# KiCad board data-center-rdimm-ddr4-tester.kicad_pcb (continued)
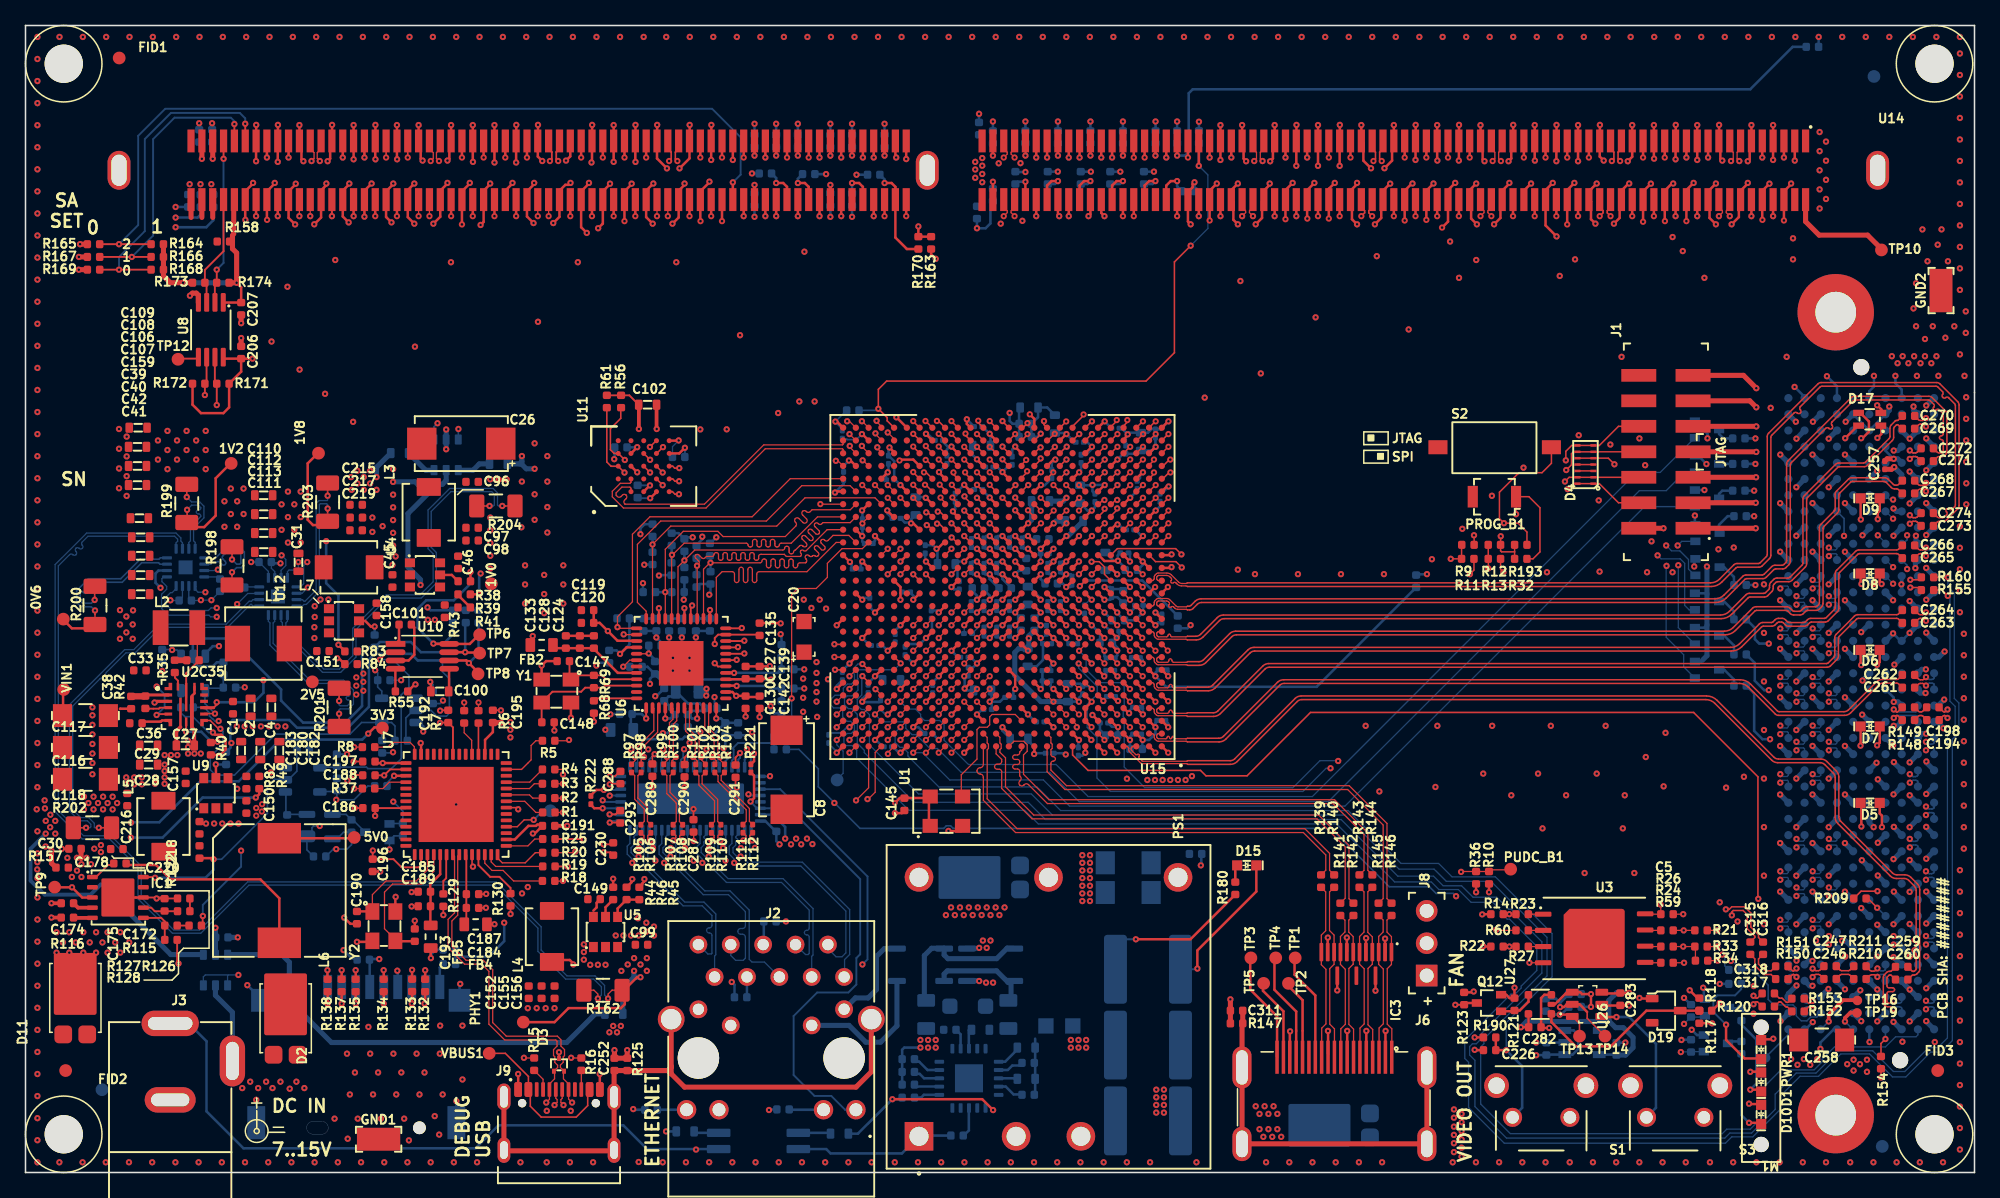
[diagram p0: board, top side]
## Placement (name value [footprint] x y rotation side) (continued)
D7  LED_G_0603_KP-1608CGCK  [LED_0603_1608Metric_G]  144.7 35 180 top
D8  LED_G_0603_KP-1608CGCK  [LED_0603_1608Metric_G]  144.7 47 180 top
D9  LED_G_0603_KP-1608CGCK  [LED_0603_1608Metric_G]  144.7 52.9 180 top
D10  LED_G_0603_KP-1608CGCK  [LED_0603_1608Metric_G]  136.15 4.56 270 top
D11  PDS760  [PowerDI5]  3.9 13.7 90 top
D12  CD-MMBL110S  [DFN3538]  75.71 16.3 90 bottom
D13  CD-MMBL110S  [DFN3538]  70.21 16.3 90 bottom
D14  PTVS58VS1UR,115  [SOD-123F]  73.91 13.05 0 bottom
D15  LED_G_0603_KP-1608CGCK  [LED_0603_1608Metric_G]  95.8 24.1 0 top
D16  PDS760  [PowerDI5]  75.15 23.15 180 bottom
D17  LED_RGY_0606_APTF1616SURKCGKSYKC  [LED_RGY_1.6x1.6mm_APTF1616]  144.67 59.1 180 top
D18  PDS760  [PowerDI5]  102.6 3.7 180 bottom
D19  BZX84C5V1-TP  [SOT-23-3]  128.7 12.7 0 top
EMCCLK1  TP_1mm_SMD  [Testpoint_smd_1mm]  63.67 30.8 270 bottom
FB1  FB_120Z_2A_0603  [FB_0603_1608Metric]  46.79 34.73 0 bottom
FB2  FB_120Z_2A_0603  [FB_0603_1608Metric]  40.49 41.39 180 top
FB3  FB_120Z_2A_0603  [FB_0603_1608Metric]  51.9 37.72 0 bottom
FB4  FB_600Z_0.5A_0603  [FB_0603_1608Metric]  35.31 19.47 180 top
FB5  FB_600Z_0.5A_0603  [FB_0603_1608Metric]  31.79 18.5 90 top
FB9  FB_220Z_2A_0603  [FB_0805_2012Metric]  70.65 12.4 270 bottom
FB10  FB_220Z_2A_0603  [FB_0805_2012Metric]  77.1 12.4 270 bottom
FID1  -  [Fiducial_1mm_Mask2mm]  7.35 87.45 0 top
FID2  -  [Fiducial_1mm_Mask2mm]  3.15 8 0 top
FID3  -  [Fiducial_1mm_Mask2mm]  150 8 0 top
FID4  -  [Fiducial_1mm_Mask2mm]  145.65 2.05 180 bottom
FID5  -  [Fiducial_1mm_Mask2mm]  6 6.5 180 bottom
FID6  -  [Fiducial_1mm_Mask2mm]  145 86 180 bottom
GND1  TestPoint_Probe_1206_RCW-0C  [PROBE_PAD_1206]  27.7 2.55 180 top
GND2  TestPoint_Probe_1206_RCW-0C  [PROBE_PAD_1206]  150.2 69.2 90 top
IC1  TPS54561QDPRRQ1  [WSON-10_4x4]  7.29 21.58 0 top
IC2  ACPL-217-500E  [SOIC-4_4.55x2.6mm_P1.27]  57.5 2.47 0 bottom
IC3  TPD8S009DSMR  [R-PDSO-N15]  104.4 16.34 270 top
J1  -  [PinHeader_2x7_P2mm_SMD_Shrouded_no-locator]  128.68 56.55 90 top
J2  Bus_RJ45_5-2337992-8  [RJ45_5-2337992-8_Horizontal]  52.78 17.88 0 top
J3  BarrelJack_3167288  [BarrelJack_3167288_Horizontal]  11.35 11.7 0 top
J5  ASP-134486-01  [FMC_SAMTEC_ASP-134486-01]  144 36 90 bottom
J6  HDMI_A_Female_685119134923  [HDMI-A_Receptacle_WE_685119134923]  102.62 3.82 180 top
J7  MicroSD_693071020811  [MicroSD_Wurth_693071020811]  25.95 6.99 180 bottom
J8  -  [PinHeader_1x3_P2.54mm_Drill1.1mm]  109.91 15.45 90 top
J9  USB-C_USB4105-GF-A  [USB-C_GCT_USB4105-GF-A]  41.85 3.01 0 top
L1  L_4u7_2.8A_2020  [L_2020_5252Metric]  18.66 41.5 0 top
L2  L_680n_6.1A_1210  [L_1210_3225Metric]  12.04 42.75 180 top
L3  L_1u5_6A_1716  [L_1716_4441Metric]  31.64 51.79 90 top
L4  L_1u5_6A_1716  [L_1716_4441Metric]  41.3 18.52 270 top
L5  L_1u5_6A_1716  [L_1716_4441Metric]  10.82 27.17 270 top
L6  L_7u2_7.9A_WE-PDF  [L_WE-PDF]  19.91 22.13 90 top
L7  L_1u5_6A_1716  [L_1716_4441Metric]  25.39 47.49 180 top
M1  -  [Mech_Lightpipe_Mentor_1296.2013]  136.15 7.16 180 top
MP1  PCB_Mount_Hole_3mm_NPTH  [mounting-hole-3mm-NPTH]  3 3 0 top
MP2  PCB_Mount_Hole_3mm_NPTH  [mounting-hole-3mm-NPTH]  149.75 3 0 top
MP3  PCB_Mount_Hole_3mm_NPTH  [mounting-hole-3mm-NPTH]  149.75 87 0 top
MP4  PCB_Mount_Hole_3mm_NPTH  [mounting-hole-3mm-NPTH]  3 87 0 top
N2  antmicro_logo  [antmicro-logo_scaled_20mm_mask]  115.05 32.35 0 top
NT1  Net-Tie_2  [NetTie-2_SMD_Pad0.127mm]  16.2 46.73 270 top
NT2  Net-Tie_2  [NetTie-2_SMD_Pad0.127mm]  12.67 51.63 270 top
NT3  Net-Tie_2  [NetTie-2_SMD_Pad0.127mm]  5.45 43.67 270 top
NT4  Net-Tie_2  [NetTie-2_SMD_Pad0.127mm]  12.65 53.37 90 top
NT5  Net-Tie_2  [NetTie-2_SMD_Pad0.127mm]  16.2 48.47 90 top
NT6  Net-Tie_2  [NetTie-2_SMD_Pad0.127mm]  5.42 45.33 90 top
NT7  Net-Tie_2  [NetTie-2_SMD_Pad0.127mm]  24.6 35.63 270 top
NT8  Net-Tie_2  [NetTie-2_SMD_Pad0.127mm]  6.12 27.05 0 top
NT9  Net-Tie_2  [NetTie-2_SMD_Pad0.127mm]  23.7 51.77 270 top
NT10  Net-Tie_2  [NetTie-2_SMD_Pad0.127mm]  36.03 52.3 180 top
NT11  Net-Tie_2  [NetTie-2_SMD_Pad0.127mm]  24.6 37.37 90 top
NT12  Net-Tie_2  [NetTie-2_SMD_Pad0.127mm]  4.38 27.05 180 top
NT13  Net-Tie_2  [NetTie-2_SMD_Pad0.127mm]  23.7 53.47 90 top
NT14  Net-Tie_2  [NetTie-2_SMD_Pad0.127mm]  37.77 52.3 0 top
NT15  Net-Tie_2  [NetTie-2_SMD_Pad0.127mm]  44.43 14.3 180 top
NT16  Net-Tie_2  [NetTie-2_SMD_Pad0.127mm]  46.17 14.3 0 top
PHY1  TP_1mm_SMD  [Testpoint_smd_1mm]  39.05 11.8 90 top
PROG_B1  SW_B3U-1000P  [SW_B3U-1000P_SMD]  115.22 53.03 180 top
PS1  PDQE30-Q48-S12-D  [CONV_PDQE30-Q48-S5-D]  70.09 2.84 90 top
PUDC_B1  TP_1mm_SMD  [Testpoint_smd_1mm]  116.5 23.8 180 top
PWR1  LED_G_0603_KP-1608CGCK  [LED_0603_1608Metric_G]  136.15 9.64 270 top
Q1  BSS138PW  [SC70-3]  131.9 52.9 0 bottom
Q2  BSS138PW  [SC70-3]  131.9 39.45 0 bottom
Q3  BSS138PW  [SC70-3]  131.9 44.8 0 bottom
Q4  BSS138PW  [SC70-3]  131.9 42.1 0 bottom
Q5  BSS138PW  [SC70-3]  131.94 47.5 0 bottom
Q6  BSS138PW  [SC70-3]  131.94 50.17 0 bottom
Q7  BSS138PW  [SC70-3]  132.69 12.95 0 bottom
Q8  BSS138PW  [SC70-3]  132.6 10.14 0 bottom
Q9  BSS138PW  [SC70-3]  131.9 55.6 0 bottom
Q10  BSS138PW  [SC70-3]  131.9 58.3 0 bottom
Q11  BSS138PW  [SC70-3]  27.6 26.7 180 bottom
Q12  BSS138PW  [SC70-3]  114.8 13.3 180 top
R1  R_22R_0402  [R_0402_1005Metric]  41.05 28.25 0 top
R2  R_22R_0402  [R_0402_1005Metric]  41.04 29.38 0 top
R3  R_22R_0402  [R_0402_1005Metric]  41.04 30.5 0 top
R4  R_22R_0402  [R_0402_1005Metric]  41.04 31.63 0 top
R5  R_22R_0402  [R_0402_1005Metric]  41.04 33.88 0 top
R6  R_22R_0402  [R_0402_1005Metric]  35.54 35.75 90 top
R7  R_22R_0402  [R_0402_1005Metric]  34.41 35.75 90 top
R8  R_22R_0402  [R_0402_1005Metric]  26.91 33.38 180 top
R9  R_0R_0402  [R_0402_1005Metric]  113.15 49.25 0 top
R10  R_100R_0402  [R_0402_1005Metric]  114.8 23.13 90 top
R11  R_0R_0402  [R_0402_1005Metric]  113.13 48.15 0 top
R12  R_0R_0402  [R_0402_1005Metric]  115.22 49.25 0 top
R13  R_0R_0402  [R_0402_1005Metric]  115.22 48.15 0 top
R14  R_2k2_0402  [R_0402_1005Metric]  115.43 20.27 0 top
R15  R_5k11_0402  [R_0402_1005Metric]  39.9 8.5 270 top
R16  R_5k11_0402  [R_0402_1005Metric]  43.6 8.5 90 top
R17  R_330R_0.25W_0603  [R_0603_1608Metric]  29.35 56.45 180 bottom
R18  R_22R_0402  [R_0402_1005Metric]  41.04 22.88 0 top
R19  R_22R_0402  [R_0402_1005Metric]  41.06 24.02 0 top
R20  R_22R_0402  [R_0402_1005Metric]  41.06 25.09 0 top
R21  R_4k7_0402  [R_0402_1005Metric]  131.43 19 180 top
R22  R_4k7_0402  [R_0402_1005Metric]  115.43 17.73 0 top
R23  R_0R_0402  [R_0402_1005Metric]  117.4 20.27 180 top
R24  R_0R_0402  [R_0402_1005Metric]  128.77 17.73 0 top
R25  R_22R_0402  [R_0402_1005Metric]  41.06 26.17 0 top
R26  R_0R_0402  [R_0402_1005Metric]  128.77 19 0 top
R27  R_0R_0402  [R_0402_1005Metric]  117.4 17.73 180 top
R28  R_4k7_0402  [R_0402_1005Metric]  130.65 9.94 270 bottom
R29  R_330R_0.25W_0603  [R_0603_1608Metric]  37.1 55.6 0 bottom
R30  R_330R_0402  [R_0402_1005Metric]  134.6 12.4 90 bottom
R31  R_330R_0402  [R_0402_1005Metric]  134.6 9.8 90 bottom
R32  R_4k7_0402  [R_0402_1005Metric]  117.29 48.15 0 top
R33  R_100R_0402  [R_0402_1005Metric]  131.43 17.73 180 top
R34  R_100R_0402  [R_0402_1005Metric]  131.48 16.62 0 top
R35  R_5R1_0402  [R_0402_1005Metric]  11.71 39.71 90 top
R36  R_100R_0402  [R_0402_1005Metric]  113.79 23.13 270 top
R37  R_22R_0402  [R_0402_1005Metric]  26.91 30.13 180 top
R38  R_0R_0402  [R_0402_1005Metric]  34.42 46.39 180 top
R39  R_1k5_0402  [R_0402_1005Metric]  34.41 45.36 180 top
R40  R_100k_0402  [R_0402_1005Metric]  14.54 33.25 270 top
R41  R_1k_0402  [R_0402_1005Metric]  34.41 44.34 180 top
R42  R_0R_0402  [R_0402_1005Metric]  9.4 36.9 90 top
R43  R_10k_0402  [R_0402_1005Metric]  32.89 44.04 270 top
R44  R_0R_0402  [R_0402_1005Metric]  46.1 21.9 270 top
R45  R_4k99_0402  [R_0402_1005Metric]  47.15 21.9 270 top
R46  R_10k_0402  [R_0402_1005Metric]  48.15 21.9 90 top
R47  R_0R_0402  [R_0402_1005Metric]  15.74 32.5 270 bottom
R48  R_0R_0402  [R_0402_1005Metric]  27.39 41.69 90 bottom
R49  R_31k6_0402  [R_0402_1005Metric]  18.34 30.6 90 top
R50  R_330R_0402  [R_0402_1005Metric]  134.5 38.2 180 bottom
R51  R_330R_0402  [R_0402_1005Metric]  134.5 43.4 180 bottom
R52  R_330R_0402  [R_0402_1005Metric]  134.5 40.65 180 bottom
R53  R_330R_0402  [R_0402_1005Metric]  134.5 46.1 180 bottom
R54  R_330R_0402  [R_0402_1005Metric]  134.5 51.5 180 bottom
R55  R_0R_0402  [R_0402_1005Metric]  29.5 37.75 0 top
R56  R_10k_0402  [R_0402_1005Metric]  46.72 60.5 270 top
R57  R_330R_0402  [R_0402_1005Metric]  130.65 12.69 270 bottom
R58  R_0R_0402  [R_0402_1005Metric]  90.39 43.19 90 bottom
R59  R_0R_0402  [R_0402_1005Metric]  128.77 16.46 0 top
R60  R_0R_0402  [R_0402_1005Metric]  117.4 19 180 top
R61  R_10k_0402  [R_0402_1005Metric]  45.6 60.5 270 top
R62  R_220R_0402  [R_0402_1005Metric]  59.42 4.95 180 bottom
R63  R_80R6_0603  [R_0603_1608Metric]  82.26 51.11 180 bottom
R64  R_80R6_0603  [R_0603_1608Metric]  79.62 52.68 0 bottom
R65  R_1k_0603  [R_0603_1608Metric]  80.75 58.72 90 bottom
R66  R_1k_0603  [R_0603_1608Metric]  78.72 60.03 180 bottom
R67  R_220R_0402  [R_0402_1005Metric]  49.07 4.92 180 bottom
R68  R_12k1_0402  [R_0402_1005Metric]  44.59 36.53 90 top
R69  R_1M8_0402  [R_0402_1005Metric]  44.59 38.53 270 top
R70  R_10k_0402  [R_0402_1005Metric]  50.69 49.68 90 bottom
R71  R_10k_0402  [R_0402_1005Metric]  51.69 49.23 90 bottom
R72  R_10k_0402  [R_0402_1005Metric]  52.64 48.68 90 bottom
R73  R_10k_0402  [R_0402_1005Metric]  53.69 48.88 90 bottom
R74  R_10k_0402  [R_0402_1005Metric]  48.94 45.54 180 bottom
R75  R_10k_0402  [R_0402_1005Metric]  49.19 50.39 90 bottom
R76  R_10k_0402  [R_0402_1005Metric]  49.38 39.61 270 bottom
R77  R_2k2_0402  [R_0402_1005Metric]  50.67 47.35 270 bottom
R78  R_1k_0402  [R_0402_1005Metric]  46.89 43.48 0 bottom
R79  R_10k_0402  [R_0402_1005Metric]  47.89 39.68 0 bottom
R80  R_10k_0402  [R_0402_1005Metric]  59.79 37.98 0 bottom
R81  R_10k_0402  [R_0402_1005Metric]  59.79 39.48 0 bottom
R82  R_10k_0402  [R_0402_1005Metric]  17.33 30.59 270 top
R83  R_12k4_0402  [R_0402_1005Metric]  25.54 40.89 0 top
R84  R_10k_0402  [R_0402_1005Metric]  25.54 39.89 180 top
R85  R_63R4_0603  [R_0603_1608Metric]  74.91 11.2 180 bottom
R86  R_10k_0402  [R_0402_1005Metric]  33.54 43.63 270 bottom
R87  R_10k_0402  [R_0402_1005Metric]  34.54 43.63 270 bottom
R88  R_10k_0402  [R_0402_1005Metric]  35.54 43.63 270 bottom
R89  R_2k2_0402  [R_0402_1005Metric]  51.69 46.99 270 bottom
R90  R_2k2_0402  [R_0402_1005Metric]  52.64 46.42 270 bottom
R91  R_2k2_0402  [R_0402_1005Metric]  53.74 46.66 270 bottom
R92  R_2k2_0402  [R_0402_1005Metric]  51.19 45.54 0 bottom
R93  R_2k2_0402  [R_0402_1005Metric]  49.19 48.19 270 bottom
R94  R_2k2_0402  [R_0402_1005Metric]  49.38 41.34 0 bottom
R95  R_2k2_0402  [R_0402_1005Metric]  59.31 36.52 270 bottom
R96  R_2k2_0402  [R_0402_1005Metric]  59.31 40.93 90 bottom
R97  R_0R_0201  [R_0201]  47.54 31.71 270 top
R98  R_0R_0201  [R_0201]  48.29 31.71 90 top
R99  R_0R_0201  [R_0201]  50.06 31.71 270 top
R100  R_0R_0201  [R_0201]  50.81 31.71 90 top
R101  R_0R_0201  [R_0201]  52.57 31.7 270 top
R102  R_0R_0201  [R_0201]  53.32 31.7 90 top
R103  R_0R_0201  [R_0201]  54.07 31.71 270 top
R104  R_0R_0201  [R_0201]  54.82 31.71 90 top
R105  R_0R_0201  [R_0201]  48.28 26.97 270 top
R106  R_0R_0201  [R_0201]  49.05 26.97 90 top
R107  R_0R_0201  [R_0201]  50.8 26.97 270 top
R108  R_0R_0201  [R_0201]  51.55 26.97 90 top
R109  R_0R_0201  [R_0201]  53.8 26.97 270 top
R110  R_0R_0201  [R_0201]  54.55 26.97 90 top
R111  R_0R_0201  [R_0201]  56.28 26.98 270 top
R112  R_0R_0201  [R_0201]  57.04 26.98 90 top
R113  R_330R_0.25W_0603  [R_0603_1608Metric]  46.15 12.45 0 bottom
R114  R_330R_0.25W_0603  [R_0603_1608Metric]  7.3 21.9 90 bottom
R115  R_16k9_0402  [R_0402_1005Metric]  12.41 20.5 0 top
R116  R_243k_0402  [R_0402_1005Metric]  3.29 20 0 top
R117  R_47k_0402  [R_0402_1005Metric]  131.3 12.2 90 top
R118  R_47k_0402  [R_0402_1005Metric]  131.3 13.2 270 top
R119  R_330R_0402  [R_0402_1005Metric]  134.1 14.8 180 bottom
R120  R_47k_0402  [R_0402_1005Metric]  131.78 12.7 180 top
R121  R_100k_0402  [R_0402_1005Metric]  116.8 13.2 90 top
R122  R_100k_0402  [R_0402_1005Metric]  13.65 25.15 270 top
R123  R_10k_0402  [R_0402_1005Metric]  112.85 13.65 90 top
R124  R_100k_0402  [R_0402_1005Metric]  29.6 26.9 90 bottom
R125  R_330R_0402  [R_0402_1005Metric]  47.2 8.48 270 top
R126  R_49R9_0402  [R_0402_1005Metric]  13.31 19.38 180 top
R127  R_53k6_0402  [R_0402_1005Metric]  11.41 19.38 180 top
R128  R_10k2_0402  [R_0402_1005Metric]  11.41 18.25 0 top
R129  R_12k_0402  [R_0402_1005Metric]  32.78 21.37 90 top
R130  R_10k_0402  [R_0402_1005Metric]  38.05 21.4 90 top
R131  R_20k_0402  [R_0402_1005Metric]  33.25 17.49 0 bottom
R132  R_20k_0402  [R_0402_1005Metric]  31.35 14.67 90 top
R133  R_20k_0402  [R_0402_1005Metric]  30.32 14.69 90 top
R134  R_20k_0402  [R_0402_1005Metric]  28.1 14.67 90 top
R135  R_20k_0402  [R_0402_1005Metric]  25.9 14.67 90 top
R136  R_220R_0402  [R_0402_1005Metric]  33.25 16.35 180 bottom
R137  R_20k_0402  [R_0402_1005Metric]  24.8 14.67 90 top
R138  R_20k_0402  [R_0402_1005Metric]  23.7 14.67 90 top
R139  R_0R_0402  [R_0402_1005Metric]  101.63 22.86 270 top
R140  R_0R_0402  [R_0402_1005Metric]  102.66 22.86 270 top
R141  R_0R_0402  [R_0402_1005Metric]  103.14 20.65 270 top
R142  R_0R_0402  [R_0402_1005Metric]  104.16 20.65 270 top
R143  R_0R_0402  [R_0402_1005Metric]  104.64 22.86 270 top
R144  R_0R_0402  [R_0402_1005Metric]  105.65 22.86 270 top
R145  R_0R_0402  [R_0402_1005Metric]  106.14 20.65 270 top
R146  R_0R_0402  [R_0402_1005Metric]  107.16 20.65 270 top
R147  R_330R_0402  [R_0402_1005Metric]  95 11.7 0 top
R148  R_33R_0402  [R_0402_1005Metric]  147.7 35.5 0 top
R149  R_33R_0402  [R_0402_1005Metric]  147.7 36.5 0 top
R150  R_33R_0402  [R_0402_1005Metric]  137.77 15.18 180 top
R151  R_33R_0402  [R_0402_1005Metric]  137.77 16.18 180 top
R152  R_33R_0402  [R_0402_1005Metric]  139.04 12.64 180 top
R153  R_33R_0402  [R_0402_1005Metric]  139.04 13.64 180 top
R154  R_10k_0402  [R_0402_1005Metric]  145.55 8.62 270 top
R155  R_4k7_0402  [R_0402_1005Metric]  149.2 45.7 0 top
R156  R_1k3_0603  [R_0603_1608Metric]  78.5 7.35 180 bottom
R157  R_0R_0402  [R_0402_1005Metric]  2.88 23.92 180 top
R158  R_0R_0402  [R_0402_1005Metric]  15.53 73.05 0 top
R159  R_49k9_0402  [R_0402_1005Metric]  78.65 8.6 180 bottom
R160  R_4k7_0402  [R_0402_1005Metric]  149.2 46.7 0 top
R161  R_0R_0402  [R_0402_1005Metric]  78.65 6.1 180 bottom
R162  R_0R01_1206  [R_1206_3216Metric]  45.3 14.3 0 top
R163  R_10k_0402  [R_0402_1005Metric]  71.04 72.94 90 top
R164  R_0R_0402  [R_0402_1005Metric]  10.34 72.84 180 top
R165  R_0R_0402  [R_0402_1005Metric]  5.34 72.84 180 top
R166  R_0R_0402  [R_0402_1005Metric]  10.34 71.84 180 top
R167  R_0R_0402  [R_0402_1005Metric]  5.34 71.84 180 top
R168  R_0R_0402  [R_0402_1005Metric]  10.34 70.84 180 top
R169  R_0R_0402  [R_0402_1005Metric]  5.34 70.84 180 top
R170  R_4k7_0402  [R_0402_1005Metric]  70.04 72.94 90 top
R171  R_4k7_0402  [R_0402_1005Metric]  15.49 61.89 180 top
R172  R_4k7_0402  [R_0402_1005Metric]  13.59 61.89 0 top
R173  R_4k7_0402  [R_0402_1005Metric]  13.59 69.81 0 top
R174  R_4k7_0402  [R_0402_1005Metric]  15.49 69.81 180 top
R175  R_24k9_0402  [R_0402_1005Metric]  72.51 11.2 180 bottom
R176  R_63R4_0603  [R_0603_1608Metric]  78.5 9.8 180 bottom
R177  R_10k_0402  [R_0402_1005Metric]  69.25 7.9 180 bottom
R178  R_0R_0402  [R_0402_1005Metric]  73.07 2.9 180 bottom
R179  R_0R_0402  [R_0402_1005Metric]  69.25 5.88 0 bottom
R180  R_32k4_0402  [R_0402_1005Metric]  94.9 22.3 270 top
R181  R_10k_0402  [R_0402_1005Metric]  69.25 6.9 180 bottom
R182  R_10k_0402  [R_0402_1005Metric]  69.25 8.89 180 bottom
R183  R_1k_0603  [R_0603_1608Metric]  63.85 3.05 180 bottom
R184  R_1k_0603  [R_0603_1608Metric]  51.75 3.22 180 bottom
R185  R_0R_0402  [R_0402_1005Metric]  92.05 81.25 270 bottom
R186  R_100k_0402  [R_0402_1005Metric]  64.9 59.8 180 bottom
R187  R_330R_0402  [R_0402_1005Metric]  134.4 53.5 180 bottom
R188  R_330R_0402  [R_0402_1005Metric]  134.4 55.6 180 bottom
R189  R_330R_0402  [R_0402_1005Metric]  134.4 57.6 180 bottom
R190  R_4k7_0402  [R_0402_1005Metric]  114.85 10.6 0 top
R191  R_0R_0402  [R_0402_1005Metric]  21.78 33.2 0 bottom
R192  R_100k_0402  [R_0402_1005Metric]  25.57 27.19 90 bottom
R193  R_10k_0402  [R_0402_1005Metric]  117.29 49.25 180 top
R194  R_10k_0402  [R_0402_1005Metric]  15.26 46.08 90 bottom
R195  R_10k_0402  [R_0402_1005Metric]  16.72 45.9 0 bottom
R196  R_0R_0402  [R_0402_1005Metric]  29.47 33.88 180 bottom
R197  R_0R_0402  [R_0402_1005Metric]  15.53 39.55 270 bottom
R198  R_0R01_1206  [R_1206_3216Metric]  16.2 47.6 90 top
R199  R_0R005_1206  [R_1206_3216Metric]  12.65 52.5 90 top
R200  R_0R01_1206  [R_1206_3216Metric]  5.45 44.5 90 top
R201  R_0R01_1206  [R_1206_3216Metric]  24.6 36.5 90 top
R202  R_0R01_1206  [R_1206_3216Metric]  5.25 27.05 180 top
R203  R_0R01_1206  [R_1206_3216Metric]  23.7 52.6 90 top
R204  R_0R01_1206  [R_1206_3216Metric]  36.9 52.3 0 top
R205  R_0R_0402  [R_0402_1005Metric]  59.2 33.2 180 bottom
R206  R_0R_0402  [R_0402_1005Metric]  59.2 34.2 180 bottom
R207  R_100R_0402  [R_0402_1005Metric]  85.72 43.33 0 bottom
R208  R_10k_0402  [R_0402_1005Metric]  134.1 15.9 180 bottom
R209  R_10k_0402  [R_0402_1005Metric]  143.9 21.5 180 top
R210  R_33R_0402  [R_0402_1005Metric]  143.9 15.19 180 top
R211  R_33R_0402  [R_0402_1005Metric]  143.9 16.19 180 top
R212  R_100k_0402  [R_0402_1005Metric]  20.53 27.58 90 bottom
R213  R_10k_0402  [R_0402_1005Metric]  24.43 32.35 90 bottom
R214  R_100k_0402  [R_0402_1005Metric]  10.72 40.55 90 bottom
R215  R_100k_0402  [R_0402_1005Metric]  31.96 37.28 270 bottom
R216  R_10k_0402  [R_0402_1005Metric]  16 38.05 0 bottom
R217  R_10k_0402  [R_0402_1005Metric]  27.98 33.41 270 bottom
R218  R_10k_0402  [R_0402_1005Metric]  121.55 14 0 bottom
R219  R_0R_0402  [R_0402_1005Metric]  119.25 13.15 270 bottom
R220  R_10k_0402  [R_0402_1005Metric]  121.55 13 0 bottom
R221  R_0R_0201  [R_0201]  56.9 31.71 270 top
R222  R_0R_0201  [R_0201]  44.35 29.22 270 top
REF**  -  [OSHW-Logo_5.7x6mm_Mask]  130.4 31.2 0 top
S1  SW_1-1825027-1  [SW_1-1825027-1_THT]  116.65 4.33 0 top
S2  -  [SW_DS04-254-1-01BK-SMT]  115.22 56.87 180 top
S3  SW_1-1825027-1  [SW_1-1825027-1_THT]  127.16 4.33 0 top
TP1  TP_1mm_SMD  [Testpoint_smd_1mm]  99.6 16.84 90 top
TP2  TP_1mm_SMD  [Testpoint_smd_1mm]  99.07 14.84 90 top
TP3  TP_1mm_SMD  [Testpoint_smd_1mm]  96.12 16.84 90 top
TP4  TP_1mm_SMD  [Testpoint_smd_1mm]  98.07 16.84 90 top
TP5  TP_1mm_SMD  [Testpoint_smd_1mm]  97.12 14.84 90 top
TP6  TP_1mm_SMD  [Testpoint_smd_1mm]  35.62 42.2 0 top
TP7  TP_1mm_SMD  [Testpoint_smd_1mm]  35.62 40.75 0 top
TP8  TP_1mm_SMD  [Testpoint_smd_1mm]  35.5 39.12 0 top
TP9  TP_1mm_SMD  [Testpoint_smd_1mm]  2.29 22.39 90 top
TP10  TP_1mm_SMD  [Testpoint_smd_1mm]  145.59 72.39 0 top
TP11  TP_1mm_SMD  [Testpoint_smd_1mm]  41.18 28.38 0 bottom
TP12  TP_1mm_SMD  [Testpoint_smd_1mm]  11.96 63.81 0 top
TP13  TP_1mm_SMD  [Testpoint_smd_1mm]  121.9 10.7 180 top
TP14  TP_1mm_SMD  [Testpoint_smd_1mm]  123.9 10.7 180 top
TP15  TP_0.75mm_SMD  [TP_SMD_0.75mm]  136.5 9 180 bottom
TP16  TP_0.75mm_SMD  [TP_SMD_0.75mm]  143.7 13.5 0 top
TP19  TP_0.75mm_SMD  [TP_SMD_0.75mm]  143.68 12.53 0 top
U1  Oscillator_SMD_100MHz_ASFLMB  [Oscillator_SMD_Abracon_ASFLMB_5x3.2x0.85mm]  72.14 28.25 90 top
U2  TPS65295RJE  [TPS65295RJET]  12.61 36.72 0 top
U3  S25FL128SAGNFI000  [WSON-8_6x8x0.5mm_P1.27mm]  123.05 18.36 0 top
U4  AP62301WU-7  [AP62301WU-7-TSOT23-6]  31.34 46.89 270 top
U5  AP62301WU-7  [AP62301WU-7-TSOT23-6]  45.5 18.87 0 top
U6  KSZ9031RNXCA  [QFN-48-1EP_7x7x0.9mm_P0.5mm_EP3.5x3.5mm]  51.44 39.95 90 top
U7  FT4232H_VQFN  [QFN-56-1EP_8x8mm_P0.5mm]  33.78 28.88 90 top
U8  PCA9517A_TSSOP  [TSSOP-8_3x3mm_P0.65mm]  14.55 66.12 270 top
U9  AP62301WU-7  [AP62301WU-7-TSOT23-6]  14.94 29.76 0 top
U10  LM3881MME_NOPB  [VSSOP-8_3x3mm_P0.65mm]  31.12 40.5 0 top
U11  S27KL0641DABHI023  [FBGA-24-1_6x8mm_Layout5x5_P1mm]  48.5 55.42 90 top
U12  AP62301WU-7  [AP62301WU-7-TSOT23-6]  24.99 43.29 270 top
U13  TPS2372-3RGWR  [VQFN-20_5x5x1mm_P0.65mm]  74.01 7.39 270 bottom
U14  Bus_DDR4_2199155-1  [Bus_DDR4_Socket_DIMM_2199155-1]  139.64 80.94 180 top
U15  XC7K160T-FFG676  [BGA-676_27x27mm_Layout26x26_P1X1mm]  76.63 45.94 180 top
U16  TS3L500RHUR  [WQFN-56-1EP_5x11x1mm_P0.5mm]  52.16 29.33 270 bottom
U17  74LVC2G07_SOT457  [SC-74-6_1.5x2.9mm_P0.95mm]  33 56.3 270 bottom
U18  MAX812REUS+T  [SOT-143-4]  23.07 27.14 90 bottom
U19  PAC1954T-E_VQFN  [VQFN-16-1EP_3x3mm_P0.5mm_EP1.1x1.1mm]  12.56 47.48 90 bottom
U20  PAC1954T-E_VQFN  [VQFN-16-1EP_3x3mm_P0.5mm_EP1.1x1.1mm]  19.8 45.2 270 bottom
U21  SN74AHCT1G125_SOT  [SOT-753]  21.74 30.81 90 bottom
U22  SN74AHCT1G125_SOT  [SOT-753]  29.29 36.26 270 bottom
U23  SN74AHCT1G125_SOT  [SOT-753]  13.16 39.16 0 bottom
U24  74LVC2G07_SOT457  [SC-74-6_1.5x2.9mm_P0.95mm]  14.9 15.9 90 bottom
U25  NCP718ASN500_SOT  [SOT-23-5]  122.1 10.2 0 bottom
U26  MAX16150A_SOT  [SOT-23-6]  122.55 13.2 90 top
U27  SN74LVC1G240_SC70  [SOT-353]  118.8 13.2 90 top
VBUS1  TP_1mm_SMD  [Testpoint_smd_1mm]  36.38 9.35 0 top
VIN1  TP_1mm_SMD  [Testpoint_smd_1mm]  3 37.9 90 top
Y1  Oscillator_SMD_25MHz_KX-7  [Oscillator_SMD_Geyer_KX-7-4Pin_3.2x2.5mm]  41.69 37.73 180 top
Y2  Oscillator_SMD_12MHz_KX-7  [Oscillator_SMD_Geyer_KX-7-4Pin_3.2x2.5mm]  28.16 19.38 270 top

## Library data of the parts
0V6 TP3 TP8 TP11 TP14 VIN1 = -: Description: Test Point 1mm; Author: Antmicro; License: Apache-2.0; Field9: License: Apache-2.0; Field10: Author: Antmicro
1V0 5V0 TP2 TP6 TP10 TP12 TP13 = -: Description: Test Point 1mm; Author: Antmicro; License: Apache-2.0; Field8: License: Apache-2.0; Field10: Author: Antmicro
1V2 3V3 EMCCLK1 TP4 VBUS1 = -: Description: Test Point 1mm; Author: Antmicro; License: Apache-2.0; Field8: License: Apache-2.0; Field9: Author: Antmicro
1V8 2V5 PUDC_B1 = -: Description: Test Point 1mm; Author: Antmicro; License: Apache-2.0; Field9: Author: Antmicro; Field10: License: Apache-2.0
C1 C33 = -: Author: Antmicro; License: Apache-2.0; MPN: CC0402MRX5R5BB106; Manufacturer: Yaego; Val: 10u; Field11: License: Apache-2.0; Field12: Author: Antmicro
C2 = -: Author: Antmicro; License: Apache-2.0; MPN: 0603YC104KAZ2A; Manufacturer: AVX; Val: 100n; Field12: Author: Antmicro; Field13: License: Apache-2.0
C3 C23 C24 = -: Author: Antmicro; License: Apache-2.0; MPN: GRM188R60J476ME15D; Manufacturer: Murata; Val: 47u; Field12: Author: Antmicro; Field13: License: Apache-2.0
C4 = -: Author: Antmicro; License: Apache-2.0; MPN: 0603YD105KAT2A; Manufacturer: Walsin; Val: 1u; Field11: Author: Antmicro; Field13: License: Apache-2.0
C5 C104 C105 C158 C169 C170 C181 C185 C207 C211-C213 C232 C252 C263 C270-C272 C283 = -: Author: Antmicro; Dielectric: X5R; License: Apache-2.0; MPN: GRM155R61H104KE14D; Manufacturer: Murata; Val: 100n; Voltage: 50V; Field11: Author: Antmicro; Field13: License: Apache-2.0
C6 C114 C180 = -: Author: Antmicro; License: Apache-2.0; MPN: GRM188R60J476ME15D; Manufacturer: Murata; Val: 47u; Field11: License: Apache-2.0; Field12: Author: Antmicro
C7 C14 C189 C239 = -: Author: Antmicro; License: Apache-2.0; MPN: GRM155R61A475MEAAD; Manufacturer: Murata; Val: 4u7; Field12: License: Apache-2.0; Field13: Author: Antmicro
C8 = -: Author: Antmicro; License: Apache-2.0; MPN: T520D337M006ATE045; Manufacturer: KEMET; Val: 330u; Field11: License: Apache-2.0; Field12: Author: Antmicro
C9 C11 C57 C74 C75 C83 C86 C88 C95 C276 C296 C301 = -: Author: Antmicro; License: Apache-2.0; MPN: CC0201KRX6S5BB104; Manufacturer: Yaego; Val: 100n; Field11: License: Apache-2.0; Field12: Author: Antmicro
C10 C281 = -: Author: Antmicro; License: Apache-2.0; MPN: C1005X6S1A105K050BC; Manufacturer: TDK; Val: 1u; Field12: Author: Antmicro; Field13: License: Apache-2.0
C12 = -: Author: Antmicro; License: Apache-2.0; MPN: GRM188R60J476ME15D; Manufacturer: Murata; Val: 47u; Field12: License: Apache-2.0; Field13: Author: Antmicro
C13 C120 C122 = -: Author: Antmicro; License: Apache-2.0; MPN: C1005X5R1E474M050BB; Manufacturer: TDK; Val: 470n; Field11: Author: Antmicro; Field12: License: Apache-2.0
C15 C182 = -: Author: Antmicro; License: Apache-2.0; MPN: GRM188R60J476ME15D; Manufacturer: Murata; Val: 47u; Field11: License: Apache-2.0; Field13: Author: Antmicro
C16 C144 = -: Author: Antmicro; License: Apache-2.0; MPN: GRM155R61A475MEAAD; Manufacturer: Murata; Val: 4u7; Field11: Author: Antmicro; Field13: License: Apache-2.0
C17 C121 C124 C195 C256 = -: Author: Antmicro; License: Apache-2.0; MPN: GRM155R61A475MEAAD; Manufacturer: Murata; Val: 4u7; Field12: Author: Antmicro; Field13: License: Apache-2.0
C18 C101 C154 C173 C176 C186 C196 C197 C203 C246 C260 C264 C265 C267 C268 C273 C282 C284 C316 = -: Author: Antmicro; Dielectric: X5R; License: Apache-2.0; MPN: GRM155R61H104KE14D; Manufacturer: Murata; Val: 100n; Voltage: 50V; Field12: License: Apache-2.0; Field13: Author: Antmicro
C19 C132 = -: Author: Antmicro; License: Apache-2.0; MPN: GRM155R61A475MEAAD; Manufacturer: Murata; Val: 4u7; Field11: Author: Antmicro; Field12: License: Apache-2.0
C20 = -: Author: Antmicro; License: Apache-2.0; MPN: 298D107X06R3A2T; Manufacturer: Vishay; Val: 100u; Field11: License: Apache-2.0; Field12: Author: Antmicro
C21 C32 C54 C61 C64 C67 C93 C242 C244 C257 C300 C302 C308 C309 = -: Author: Antmicro; License: Apache-2.0; MPN: CC0201KRX6S5BB104; Manufacturer: Yaego; Val: 100n; Field12: Author: Antmicro; Field13: License: Apache-2.0
C22 C81 = -: Author: Antmicro; License: Apache-2.0; MPN: GRM188R60J476ME15D; Manufacturer: Murata; Val: 47u; Field11: Author: Antmicro; Field12: License: Apache-2.0
C25 C78 C80 C102 C183 = -: Author: Antmicro; License: Apache-2.0; MPN: GRM188R60J476ME15D; Manufacturer: Murata; Val: 47u; Field11: Author: Antmicro; Field13: License: Apache-2.0
C26 = -: Author: Antmicro; License: Apache-2.0; MPN: T520D337M006ATE045; Manufacturer: KEMET; Val: 330u; Field11: Author: Antmicro; Field13: License: Apache-2.0
C27 = -: Author: Antmicro; License: Apache-2.0; MPN: C1608X5R1E106M080AC; Manufacturer: TDK; Val: 10u/25V; Field12: Author: Antmicro; Field13: License: Apache-2.0
C28 C29 = -: Author: Antmicro; License: Apache-2.0; MPN: C1608X5R1E106M080AC; Manufacturer: TDK; Val: 10u/25V; Field11: License: Apache-2.0; Field12: Author: Antmicro
C30 C103 C162 C163 C166 C179 C184 C191 C194 C198 C204 C205 C214 C229 C233 C261 C274 C285 C311 = -: Author: Antmicro; Dielectric: X5R; License: Apache-2.0; MPN: GRM155R61H104KE14D; Manufacturer: Murata; Val: 100n; Voltage: 50V; Field11: License: Apache-2.0; Field12: Author: Antmicro
C31 C40 = -: Author: Antmicro; License: Apache-2.0; MPN: GRM188R60J226MEA0D; Manufacturer: Murata; Val: 22u; Field12: Author: Antmicro; Field13: License: Apache-2.0
C34 C47 C49 C62 C63 C69 C82 C251 C253 C277 C278 C286 C310 = -: Author: Antmicro; License: Apache-2.0; MPN: CC0201KRX6S5BB104; Manufacturer: Yaego; Val: 100n; Field11: Author: Antmicro; Field13: License: Apache-2.0
C35 C171 C178 C188 C199-C201 C206 C210 C235 C247 C266 C314 = -: Author: Antmicro; Dielectric: X5R; License: Apache-2.0; MPN: GRM155R61H104KE14D; Manufacturer: Murata; Val: 100n; Voltage: 50V; Field12: Author: Antmicro; Field13: License: Apache-2.0
C36 C127 C130 = -: Author: Antmicro; License: Apache-2.0; MPN: C1005X5R1E474M050BB; Manufacturer: TDK; Val: 470n; Field12: Author: Antmicro; Field13: License: Apache-2.0
C37 = -: Author: Antmicro; License: Apache-2.0; MPN: C1005X5R1E474M050BB; Manufacturer: TDK; Val: 470n; Field11: License: Apache-2.0; Field13: Author: Antmicro
C38 = -: Author: Antmicro; License: Apache-2.0; MPN: CC0402MRX5R5BB106; Manufacturer: Yaego; Val: 10u; Field12: License: Apache-2.0; Field13: Author: Antmicro
C39 C159 = -: Author: Antmicro; License: Apache-2.0; MPN: GRM188R60J226MEA0D; Manufacturer: Murata; Val: 22u; Field11: License: Apache-2.0; Field12: Author: Antmicro
C41 C42 = -: Author: Antmicro; License: Apache-2.0; MPN: GRM188R60J226MEA0D; Manufacturer: Murata; Val: 22u; Field11: Author: Antmicro; Field12: License: Apache-2.0
C43 C48 C53 C59 C79 C89 C90 C231 C238 C241 C249 C250 C255 C279 C294 C297 C307 = -: Author: Antmicro; License: Apache-2.0; MPN: CC0201KRX6S5BB104; Manufacturer: Yaego; Val: 100n; Field11: Author: Antmicro; Field12: License: Apache-2.0
C44 C55 C68 C70 C73 C76 C94 C240 C298 C303 = -: Author: Antmicro; License: Apache-2.0; MPN: CC0201KRX6S5BB104; Manufacturer: Yaego; Val: 100n; Field11: License: Apache-2.0; Field13: Author: Antmicro
C45 C99 = -: Author: Antmicro; License: Apache-2.0; MPN: CC0402MRX5R5BB106; Manufacturer: Yaego; Val: 10u; Field11: License: Apache-2.0; Field13: Author: Antmicro
C46 C153 C157 C164 C167 C168 C202 C237 C259 C262 C269 C275 C315 C318 = -: Author: Antmicro; Dielectric: X5R; License: Apache-2.0; MPN: GRM155R61H104KE14D; Manufacturer: Murata; Val: 100n; Voltage: 50V; Field11: Author: Antmicro; Field12: License: Apache-2.0
C50-C52 C56 C58 C60 C65 C66 C71 C72 C77 C84 C85 C87 C91 C92 C143 C243 C248 C254 C295 C299 C304-C306 = -: Author: Antmicro; License: Apache-2.0; MPN: CC0201KRX6S5BB104; Manufacturer: Yaego; Val: 100n; Field12: License: Apache-2.0; Field13: Author: Antmicro
C96 C97 = -: Author: Antmicro; License: Apache-2.0; MPN: 04024W226MAT2A; Manufacturer: AVX; Val: 22u; Field12: License: Apache-2.0; Field13: Author: Antmicro
C98 = -: Author: Antmicro; License: Apache-2.0; MPN: C1005X6S1A105K050BC; Manufacturer: TDK; Val: 1u; Field11: Author: Antmicro; Field12: License: Apache-2.0
C100 C106 C111 = -: Author: Antmicro; License: Apache-2.0; MPN: 06031C103JAT2A; Manufacturer: AVX; Val: 10n; Field11: Author: Antmicro; Field13: License: Apache-2.0
C107 C108 C113 = -: Author: Antmicro; License: Apache-2.0; MPN: 06031C103JAT2A; Manufacturer: AVX; Val: 10n; Field11: Author: Antmicro; Field12: License: Apache-2.0
C109 C110 = -: Author: Antmicro; License: Apache-2.0; MPN: 06031C103JAT2A; Manufacturer: AVX; Val: 10n; Field12: Author: Antmicro; Field13: License: Apache-2.0
